# Altium PCB Smart Humidifier_LCEDA.PcbDoc (continued)
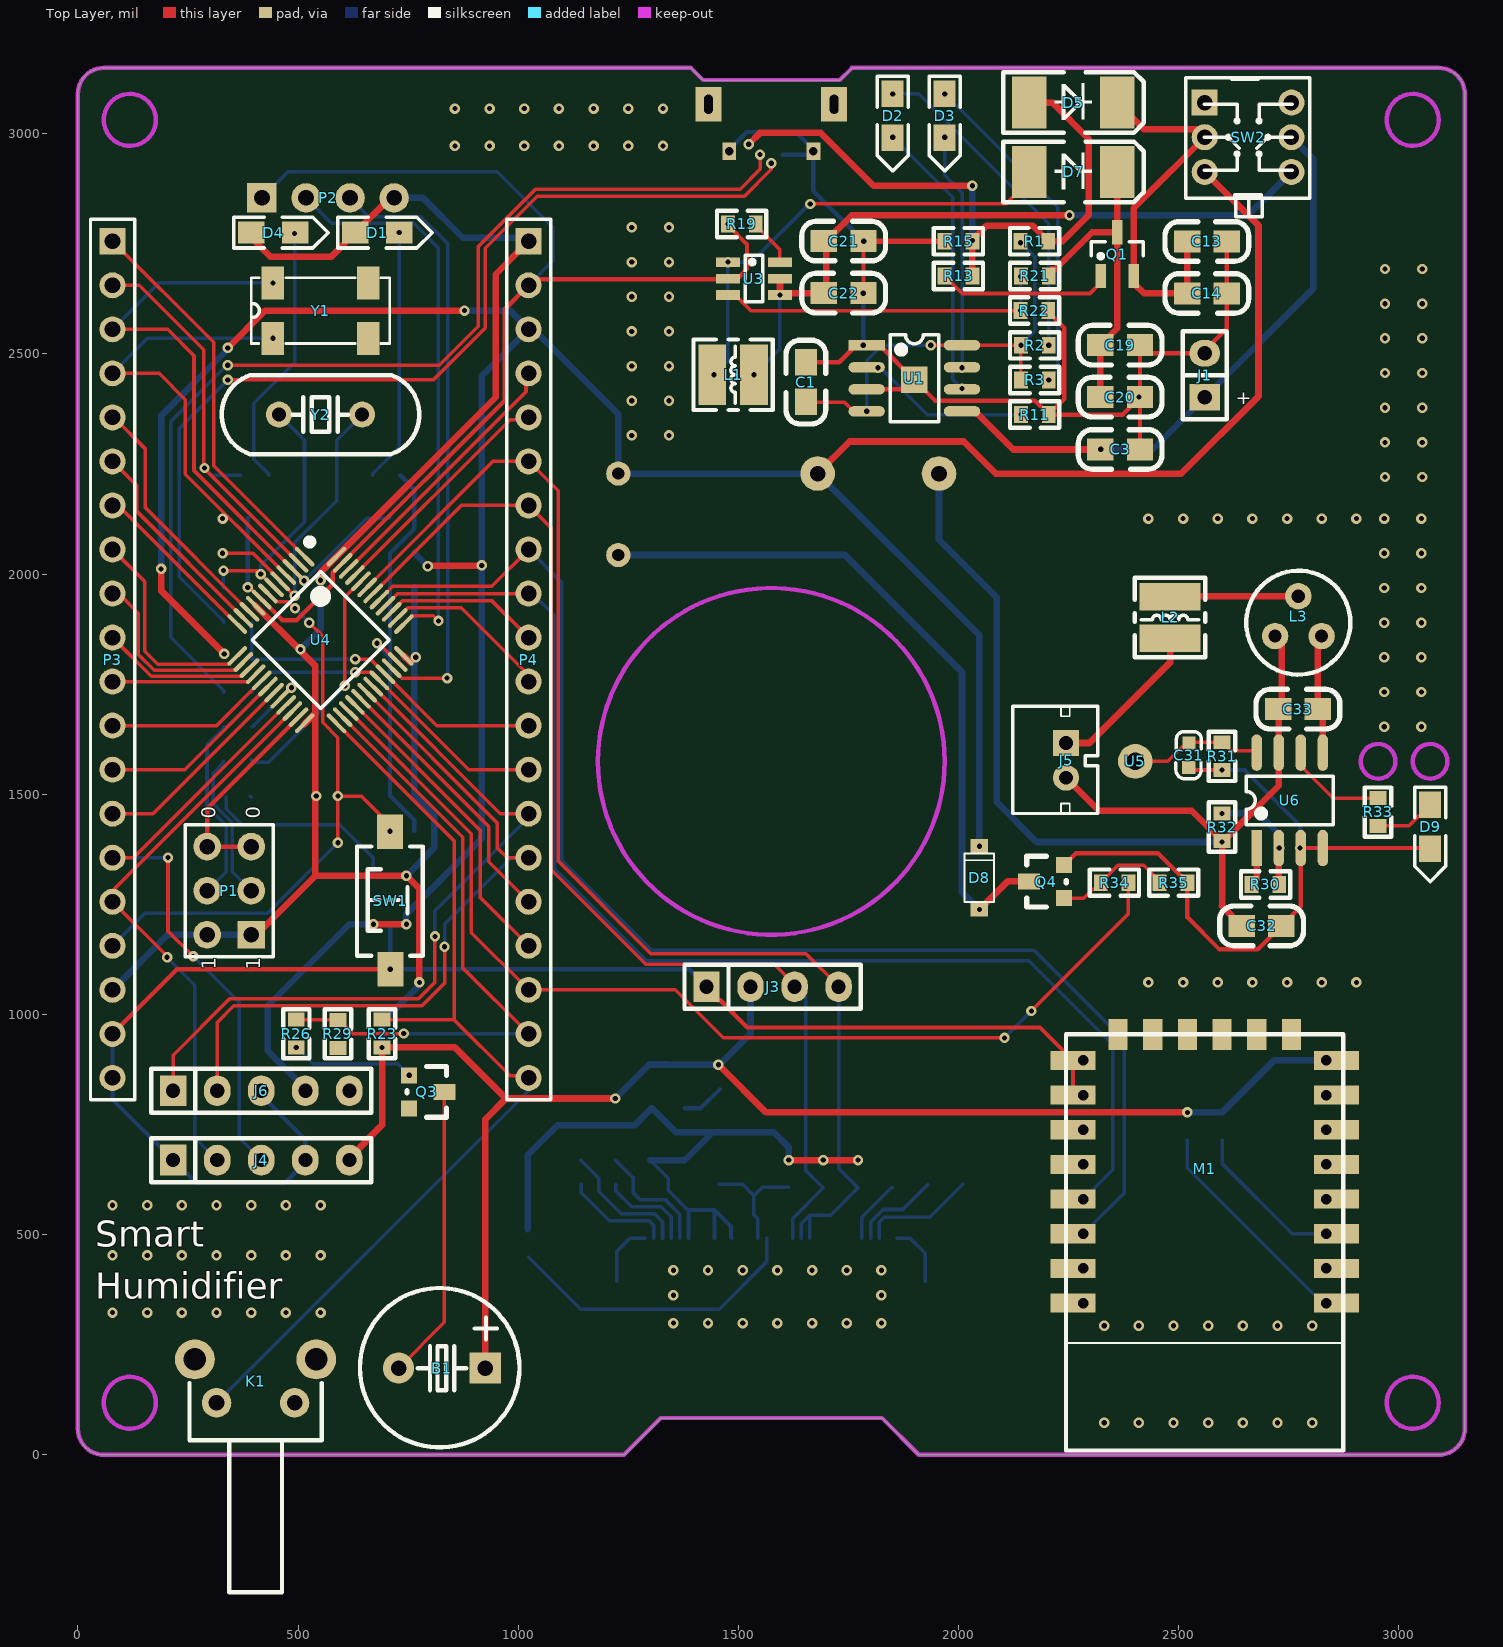
[diagram p0: Top Layer view]
## Footprints (in the part's own frame and the unit in brackets; to place one, negate y for a bottom-side part, rotate by r counter-clockwise, add the part's x,y. Pads: shape width x height; smd on the part's side, far side on the other; paste and mask are expansions set on the pad) (continued)
  silkscreen extent 1.35,-4.41 4.15,0.6
SOT23#1 [mm]
  rect 0.6x1.4 smd: D(0.95,2.514) G(0,0) S(1.9,0)
  silkscreen extent -0.55,1.02 2.45,1.97
SOT23#2 [mm]
  rect 0.6x1.4 smd: 1(0,0) 2(1.9,0) 3(0.95,2.514)
  silkscreen extent -0.55,1.02 2.45,1.97
SOT23-5L [mm] "3x1.6x1.1mm(长宽高)"
  rect 0.45x1 smd: 1(-0.95,-1.4) 2(0,-1.4) 3(0.95,-1.4) 4(0.95,1.4) 5(-0.95,1.4)
  silkscreen extent -1.6,-1.73 1.5,0.66
SOT23-6 [mm]
  rect 0.55x1.4 smd: 1(0,0) 2(0.95,0) 3(1.9,0) 4(1.9,3) 5(0.95,3) 6(0,3)
  silkscreen extent -0.38,0.99 2.29,2.01
SOT-23 [mil]
  rect 36x36 smd: B(-35,-35) E(40,-35)
  rect 36x50 smd: C(3,45)
  silkscreen extent -55,-40 60,50
SW_0603R [mm]
  rect 0.8x0.965 smd: 1(0,0) 2(1.6,0) 3(3.2,0)
  silkscreen extent -0.64,-0.76 3.81,0.76
"TQFP48 7x7_L" [mm] "48脚，体宽：7x7mm, 脚距：0.5mm"
  oval 0.25x1.5 smd: 1(-2.75,-4.046) 2(-2.25,-4.046) 3(-1.75,-4.046) 4(-1.25,-4.046) 5(-0.75,-4.046) 6(-0.25,-4.046) 7(0.25,-4.046) 8(0.75,-4.046) 9(1.25,-4.046) 10(1.75,-4.046) 11(2.25,-4.046) 12(2.75,-4.046) 25(2.75,4.046) 26(2.25,4.046) 27(1.75,4.046) 28(1.25,4.046) 29(0.75,4.046) 30(0.25,4.046) 31(-0.25,4.046) 32(-0.75,4.046) 33(-1.25,4.046) 34(-1.75,4.046) 35(-2.25,4.046) 36(-2.75,4.046)
  oval 1.5x0.25 smd: 13(4.046,-2.75) 14(4.046,-2.25) 15(4.046,-1.75) 16(4.046,-1.25) 17(4.046,-0.75) 18(4.046,-0.25) 19(4.046,0.25) 20(4.046,0.75) 21(4.046,1.25) 22(4.046,1.75) 23(4.046,2.25) 24(4.046,2.75) 37(-4.046,2.75) 38(-4.046,2.25) 39(-4.046,1.75) 40(-4.046,1.25) 41(-4.046,0.75) 42(-4.046,0.25) 43(-4.046,-0.25) 44(-4.046,-0.75) 45(-4.046,-1.25) 46(-4.046,-1.75) 47(-4.046,-2.25) 48(-4.046,-2.75)
  silkscreen extent -3.68,-4.57 2.79,2.79
"TSW SMD-3*6*2.5" [mm] "3*6*2.5mm"
  rect 2x1.5 smd: 1(-3.996,-0.02) 2(3.937,0)
  silkscreen extent -3.21,-1.9 3.09,1.9
USB-micro_B [mm]
  rect 1.5x2 hole 0.5 slot 1.1 at 90 deg: 0(-2.325,-2.9) 0(4.925,-2.9)
  rect 0.35x1.6 smd: 1(0,0) 2(0.65,0) 3(1.3,0) 4(1.95,0) 5(2.6,0)
  rect 0.8x1 hole 0.5: 5(-1.125,-0.19) 5(3.725,-0.19)
  silkscreen extent -2.89,-5.69 5.49,1.4
"XTAL-49S DIP" [mm]
  round 1.5 hole 0.8: 1(-2.4,0) 2(2.4,0)
  silkscreen extent -5.7,-2.28 5.7,2.28
通孔焊盘 [mm]
  round 2 hole 1: Hole(-16.7,0)

## Part data
B1: "蜂鸣器"
C1 C2 C3 C4 C5 C6 C7 C8 C9 C10 C11 C12 C13 C14 C15 C16 C17 C18 C19 C20 C21 C22 C23 C24 C25 C26 C27 C28 C29 C30 C31 C32 C33: library part CAP, "无极性电容"
D1 D2 D3 D4 D9: library part LED
D5 D7: library part "DIODE SCHOTTKY", "肖特基二极管"
D6 D8: library part DIODE, "普通二极管"
J1: library part "Female HDR1X2"
J2: "贴片"
J5: library part PH2.0-2P
JK1: "5V一组常开"
K1: library part KEY
L1 L2: library part INDUCTOR, "INDUCTOR"
L3: library part "INDUCTOR Tripod", "三脚工字形电感线圈直插式"
P1: "Header, 3-Pin, Dual row"
P2: library part "Header 4", "Header, 4-Pin"
P3 P4: "Header, 20-Pin"
Q1: library part P-MOS, "P沟道场效应管"
Q2: library part LDO_SOT23, "SOT23封装LDO"
Q3 Q4: library part NPN, "NPN三极管"
R1 R2 R3 R4 R5 R6 R7 R8 R9 R10 R11 R12 R13 R15 R16 R17 R18 R19 R20 R21 R22 R23 R24 R25 R26 R27 R28 R29 R30 R31 R32 R33 R34 R35: library part RES
R14: library part RES_SW
SW1: "SWITCH"
SW2: library part KFT_7X7-DIP, "Self-locking Switch"
U2: library part RT9193X_5P
U3: library part TC6291C, "DC-DC升压IC"
U5: library part 过孔焊盘
U6: library part XKT-201, "5V加湿器驱动芯片"
Y1 Y2: library part XTAL, "Crystal Oscillator"

## Free pads (board coordinates)
  rect 60x60 smd: 2(1899.61,2440.94)

## Via types
v1: diameter 23.62, hole 11.81, Top Layer to Bottom Layer, 219 vias

## Nets (pads, with @x,y where several pads share a name; then routed paths per layer and width w, separated by ;. In a path a pad name is that pad's centre, name@x,y a point inside that pad or via, vN(x,y) a via of type N, cw(c..) or ccw(c..) an arc to the next point about the centre after c; other vN are vias at no path point)
5V_OUT: C19.2 C20.2 D7.K Q1.D R21.2 | length 748
  Top Layer w15: R21.2 2204.72,2685.41 2211.47,2692.16 2219.72,2692.16 2303.7,2776.14 Q1.D ; C20.2 C19.2 2360.24,2558.34 Q1.D ; D7.K@2374.02,2899.72 D7.K 2360.24,2913.39 Q1.D
BOOT0: R8.1 U4.44 | length 539.8
  Top Layer w8: v1(606.3,1746.06) 606.3,1947.27 U4.44
  Bottom Layer w8: R8.1@393.7,1578.74 399.61,1572.83 433.07,1572.83 v1(606.3,1746.06)
BOOT1: R9.2 U4.20 | length 162.9
  Top Layer w8: U4.20 459.62,1716.88 v1(484.86,1742.12)
  Bottom Layer w8: R9.2 396.48,1653.54 484.86,1741.93 v1(484.86,1742.12)
GND: C1.1 C2.1 C3.2 C4.1 C6.1 C7.1 C9.1 C10.1 C11.2 C12.2 C13.2 C14.2 C15.2 C16.1 C17.2 C18.1 C19.1 C20.1 C21.1 C22.1 C23.2 C24.2 C25.1 C26.1 C27.1 C28.1 C29.2 C30.2 C31.2 C32.1 D9.K J1.2 J2.0 J2.1 J2.2 J2.6 J2.7 J2.8 J2.9 J2.10 J2.14 J2.15 J2.18 J2.19 J2.21 J2.23 J2.30 J3.1 J4.1 J4.4 J6.3 K1.3 M1.15 M1.16 P1.5 P1.6 P2.1 P3.19 P3.20 P4.2 pad.2 Q2.1 Q3.E Q4.E R7.2 R11.2 R14.3 R15.1 R19.1 R20.1 R22.1 R29.2 R31.1 R35.1 SW1.1 U1.1 U1.3 U2.2 U3.2 U4.8 U4.23 U4.35 U4.47 U6.3 U6.4 USB1.4 USB1.5 | length 12455.4
  Top Layer w8: v1(679.29,1842.99) 683.36,1842.99 725.96,1800.4 U4.35
  Top Layer w10: P3.19 225.36,1102.53 v1(709.45,1102.53) ; v1(385.71,1969.86) 389.96,1969.86 U4.8 464.15,1895.67 497.39,1895.67 578.74,1977.02 578.74,2003.23 U4.47 601.18,2026.38 969.29,2394.49 969.29,2601.57 P4.2 1037.01,2669.29 1496.06,2669.29 1519.68,2692.91 1519.68,2748.72 1476.38,2792.03 v1(1476.38,2795.28) R19.1@1479.33,2798.23 ; P1.5 P1.6 293.7,1467.64 U4.23 ; J3.1 1427.56,1057.99 1453.56,1031.99 1458.56,1031.99 1520.08,970.47 2185.04,970.47 2259.84,895.67 M1.16@2259.84,816.93 ; C1.1 1653.52,2481.39 1729.27,2481.39 1767.56,2519.68 v1(1783.46,2519.68) U1.1 1820.87,2519.68 pad.2 pad.2@1904.61,2435.94 ; C22.1 C21.1 ; U1.3 1791.71,2420.06 1884.47,2420.06 1900.35,2435.94 pad.2@1904.61,2435.94 ; R22.1 2203.73,2595.32 2203.59,2595.32 2240.16,2558.75 2240.16,2397.64 R11.2 ; Q4.E 2266.65,1366.14 2452.76,1366.14 2504.69,1314.21 2507.94,1314.21 2519.68,1302.46 R35.1 2519.68,1220.47 2592.41,1147.75 2679.55,1147.75 C32.1 2777.17,1245.36 U6.3 ; C19.1 C19.1@2411.99,2516.84 ; C3.2 2411.99,2283.06 C20.1 ; C31.2 2528.65,1555.12 v1(2598.43,1555.12) ; C13.2 C14.2 2608.98,2557.96 2559.06,2508.03 J1.2 2558.68,2501.95 2426.88,2501.95 C19.1@2411.99,2516.84 ; v1(2775.59,1377.95) U6.3 ; D9.K 3069.29,1377.95 U6.4 U6.3 ; pad.2@1904.61,2435.94 1946.48,2394.07 2172.85,2394.07 R11.2 ; R11.2 2372.97,2362.2 2409.49,2398.73 v1(2409.49,2401.98) C20.1 ; C20.1 C19.1@2411.99,2516.84
  Top Layer w11.81: C21.1 v1(1784.57,2755.91) R15.1
  Bottom Layer w8: C10.1 C10.1@393.7,1493.62 ; P2.1 477.17,2913.39 952.76,2913.39 1078.74,2787.4 1078.74,2711.02 P4.2 ; J2.0@1223.35,393.7 1223.35,461.54 1253.82,492.01 J2.30 ; J2.1 1859.29,492.13 1889.76,492.13 1924.13,457.76 J2.0@1924.13,393.7
  Bottom Layer w10: P3.19 P3.20 78.74,807.09 J4.1 216.54,664.29 241.54,639.29 246.54,639.29 267.72,618.11 470.35,618.11 516.54,664.29 J4.4 516.54,716.29 416.54,816.29 J6.3 ; v1(385.71,1969.86) 385.83,1969.98 C29.2 C24.2 ; v1(679.29,1842.99) 679.29,1840.96 C4.1 ; C26.1@708.17,1574.45 C26.1 ; U2.2 709.05,1204.33 709.05,1102.92 v1(709.45,1102.53) 1388.02,1102.53 J3.1 ; R7.2 763.87,2192.82 C23.2 763.87,2102.6 C9.1 C27.1 C6.1 C4.1 ; C2.1 763.81,1441.48 C28.1 C26.1 ; Q2.1 1414.83,787.4 C17.2 ; USB1.5@1479.33,2960.24 1479.33,2964.17 1519.09,3003.94 1630.51,3003.94 1670.28,2964.17 USB1.5@1670.28,2960.24 ; USB1.4 1625.98,2952.76 1662.8,2952.76 USB1.5@1670.28,2960.24 ; v1(1783.46,2519.68) v1(1783.46,2637.8) ; v1(1784.57,2755.91) 1670.28,2870.2 USB1.5@1670.28,2960.24 ; v1(2598.43,1555.12) 2649.61,1555.12 2775.59,1429.13 v1(2775.59,1377.95) ; C26.1 C25.1 C7.1 C4.1
  other v1: 2330.71,72.83 2409.45,72.83 2488.19,72.83 2566.93,72.83 2645.67,72.83 2724.41,72.83 2803.15,72.83 2330.71,293.31 2409.45,293.31 2488.19,293.31 2566.93,293.31 2645.67,293.31 2724.41,293.31 2803.15,293.31 1352.36,299.21 1431.1,299.21 1509.84,299.21 1588.58,299.21 1667.32,299.21 1746.06,299.21 1824.8,299.21 78.74,322.83 157.48,322.83 236.22,322.83 314.96,322.83 393.7,322.83 472.44,322.83 551.18,322.83 1352.36,362.2 1824.8,362.2 1352.36,419.29 1431.1,419.29 1509.84,419.29 1588.58,419.29 1667.32,419.29 1746.06,419.29 1824.8,419.29 78.74,452.76 157.48,452.76 236.22,452.76 314.96,452.76 393.7,452.76 472.44,452.76 551.18,452.76 78.74,566.93 157.48,566.93 236.22,566.93 314.96,566.93 393.7,566.93 472.44,566.93 551.18,566.93 2431.1,1072.83 2509.84,1072.83 2588.58,1072.83 2667.32,1072.83 2746.06,1072.83 2824.8,1072.83 2903.54,1072.83 2966.54,1653.54 3051.18,1653.54 2966.54,1732.28 3051.18,1732.28 2966.54,1811.02 3051.18,1811.02 2966.54,1889.76 3051.18,1889.76 2966.54,1968.5 3051.18,1968.5 2966.54,2047.24 3051.18,2047.24 2431.1,2125.98 2509.84,2125.98 2588.58,2125.98 2667.32,2125.98 2746.06,2125.98 2824.8,2125.98 2903.54,2125.98 2966.54,2125.98 3051.18,2125.98 2968.5,2220.47 3053.15,2220.47 2968.5,2299.21 3053.15,2299.21 1257.87,2314.96 1342.52,2314.96 2968.5,2377.95 3053.15,2377.95 1257.87,2393.7 1342.52,2393.7 2968.5,2456.69 3053.15,2456.69 1257.87,2472.44 1342.52,2472.44 2968.5,2535.43 3053.15,2535.43 1257.87,2551.18 1342.52,2551.18 2968.5,2614.17 3053.15,2614.17 1257.87,2629.92 1342.52,2629.92 2968.5,2692.91 3053.15,2692.91 1257.87,2708.66 1342.52,2708.66 1257.87,2787.4 1342.52,2787.4 856.3,2972.44 935.04,2972.44 1013.78,2972.44 1092.52,2972.44 1171.26,2972.44 1250,2972.44 1328.74,2972.44 856.3,3057.09 935.04,3057.09 1013.78,3057.09 1092.52,3057.09 1171.26,3057.09 1250,3057.09 1328.74,3057.09
NetB1_2: B1.2 Q3.C | length 670
  Top Layer w8: B1.2 832.4,300.91 Q3.C
NetC1_2: C1.2 R1.2 R2.1 R3.1 U1.4 U1.8 | length 971.4
  Top Layer w8: C1.2 1654.4,2389.76 1741.73,2389.76 1761.81,2369.68 v1(1791.34,2369.68) ; v1(1937.01,2519.68) U1.8 v1(2141.73,2519.68) ; v1(2140.74,2752.66) R1.2 ; R3.1 v1(2141.73,2519.68) ; R2.1@2141.73,2522.93 v1(2141.73,2519.68)
  Bottom Layer w8: v1(1791.34,2369.68) 1791.34,2484.25 1826.77,2519.68 v1(1937.01,2519.68) ; v1(2140.74,2752.66) 2173.23,2720.17 2173.23,2551.18 v1(2141.73,2519.68)
NetC5_1: C5.1 J2.28 | length 298.1
  Bottom Layer w8: C5.1 1183.07,628.09 1183.07,598.43 1234.25,547.24 1309.59,547.24 1327.68,529.16 J2.28
NetC5_2: C5.2 J2.29 | length 243.4
  Bottom Layer w8: C5.2 1143.09,595.1 1206.69,531.5 1297.24,531.5 1307.99,520.75 J2.29
NetC8_1: C8.1 J2.26 | length 271.1
  Bottom Layer w8: C8.1 1261.81,628.09 1261.81,594.49 1277.56,578.74 1334.65,578.74 1367.05,546.34 J2.26
NetC8_2: C8.2 J2.27 | length 213.3
  Bottom Layer w8: C8.2 1221.83,599.04 1257.87,562.99 1324.8,562.99 1347.36,540.43 J2.27
NetC10_2: C10.2 U2.4 | length 448.3
  Bottom Layer w8: C10.2 336.61,1467.2 372.72,1431.1 594.49,1431.1 671.26,1354.33 U2.4
NetC13_1: C13.1 C14.1 D5.K Q1.S SW2.2 | length 905.8
  Top Layer w15: D5.K 2420.83,3010.39 2568.31,3010.39 2572.81,3005.88 2397.64,2830.71 Q1.S 2397.64,2661.42 2421.66,2637.39 C14.1 C13.1
NetC15_1: C15.1 D6.A J2.17 R12.1 | length 276.3
  Bottom Layer w8: C15.1 1509.84,614.14 D6.A ; J2.17 1544.21,535.89 1535.43,544.67 D6.A ; R12.1 1553.96,607.08 D6.A
NetC16_2: C16.2 J2.4 | length 202.3
  Bottom Layer w8: J2.4 1800.12,528.46 1828.74,557.09 1873.5,557.09 C16.2
NetC18_2: C18.2 J2.3 | length 261.3
  Bottom Layer w8: J2.3 1819.8,528.46 1830.71,539.37 1934.52,539.37 C18.2
NetC21_2: C21.2 C22.2 L1.1 SW2.4 U3.4 U3.5 | length 1586.4
  Top Layer w15: U3.5 v1(1594.49,2633.86) 1598.83,2638.2 C22.2 1699.17,2643.2 1699.17,2756.31 1757.82,2814.96 v1(2251.97,2814.96)
  Bottom Layer w8: v1(1535.43,2452.76) 1594.49,2511.81 v1(1594.49,2633.86)
  Bottom Layer w15: v1(2251.97,2814.96) 2657.48,2814.96 SW2.4
NetC31_1: C31.1 R31.2 U5.Hole U6.8 | length 310.4
  Top Layer w8: U5.Hole 2475.37,1574.8 2519.68,1619.11 2519.68,1621.61 2523.62,1621.61 2527.13,1618.11 R31.2 2617.39,1599.15 2677.17,1599.15 U6.8
NetC32_2: C32.2 C33.2 J5.2 JK1.4 L3.3 R32.2 U6.7 | length 2511.1
  Top Layer w15: J5.2 2319.11,1462.6 2529.53,1462.6 R32.2 ; C32.2 2598.11,1246.06 2598.43,1246.06 v1(2598.43,1391.73) ; L3.3 2734.25,1843.82 2734.25,1701.9 C33.2 2727.17,1691.81 U6.7 2727.17,1519.19 2601.67,1393.7 R32.2 ; v1(2598.43,1391.73) 2600.39,1391.73 R32.2 ; v1(2598.43,1391.73) R32.2
  Bottom Layer w15: JK1.4 1955.63,2077.83 2086.61,1946.85 2086.61,1482.28 2177.17,1391.73 v1(2598.43,1391.73)
NetC33_1: C33.1 L3.2 U6.5 | length 273.2
  Top Layer w15: L3.2 2815.67,1850.43 C33.1 2827.17,1681.81 U6.5
NetD1_K: D1.K R7.1 | length 576.3
  Bottom Layer w8: R7.1 669.29,2227.66 729.92,2288.29 v1(729.92,2775.59)
NetD2_A: D2.A R2.2 | length 752.2
  Bottom Layer w8: v1(1850.39,3090.55) 1909.45,3090.55 2204.72,2795.28 v1(2204.72,2519.68)
NetD2_K: D2.K U1.6 | length 636.1
  Bottom Layer w8: v1(1850.39,2992.13) 1987.06,2855.46 1987.06,2442.07 v1(2007.87,2421.26)
NetD3_A: D3.A R3.2 | length 764.7
  Bottom Layer w8: v1(1968.5,3090.55) 2225.54,2833.52 2225.54,2461.76 v1(2204.72,2440.94)
NetD3_K: D3.K U1.7 | length 539.9
  Bottom Layer w8: v1(1968.5,2992.13) 1968.5,2905.51 2007.87,2866.14 v1(2007.87,2468.5)
NetD4_K: D4.K R10.1 | length 601.4
  Bottom Layer w8: R10.1 433.07,2227.66 399.61,2261.12 399.61,2387.8 492.13,2480.32 v1(492.13,2773.62)
NetD7_A: D7.A L1.2 U3.1 | length 1049.3
  Top Layer w8: v1(1663.39,2840.55) 2107.2,2840.55 2160.35,2893.7 D7.A
  Bottom Layer w8: v1(1444.88,2452.76) 1476.38,2484.25 v1(1476.38,2708.66) 1529.53,2708.66 1661.42,2840.55 v1(1663.39,2840.55)
NetD8_A: D8.A JK1.1 Q4.C | length 1585.4
  Top Layer w15: v1(2047.24,1238.19) 2111.3,1302.21 Q4.C
  Bottom Layer w15: JK1.1 1742.13,2043.31 2007.87,1777.56 2007.87,1277.56 v1(2047.24,1238.19)
NetD9_A: D9.A R33.1 | length 138
  Top Layer w8: R33.1 3022.87,1428.38 D9.A
NetJ2_15: J2.16 R14.2 | length 687.7
  Bottom Layer w8: R14.2 1141.73,330.71 1456.69,330.71 1563.9,437.91 J2.16
NetJ2_26: J2.5 R20.2 | length 145
  Bottom Layer w8: J2.5 1780.43,539.38 1847.15,606.09 R20.2
NetJ5_1: J5.1 L2.1 | length 367.1
  Top Layer w15: J5.1 2297.46,1616.35 2480.32,1799.21 L2.1
NetL2_2: L2.2 L3.1 | length 291.7
  Top Layer w15: L2.2 2481.26,1949.76 L3.1
NetM1_1: M1.1 R4.2 | length 508.4
  Bottom Layer w8: R4.2 2519.68,651.58 2830.71,340.55 M1.1@2834.65,344.49
NetM1_3: M1.3 R6.2 | length 355.4
  Bottom Layer w8: R6.2 2598.43,661.42 2757.87,501.97 M1.3@2834.65,501.97
NetP1_3: P1.3 R8.2 | length 339.4
  Bottom Layer w8: R8.2 330.71,1571.56 307.09,1547.93 307.09,1478.35 350.39,1435.04 350.39,1324.41 P1.3
NetP1_4: P1.4 R9.1 | length 424.1
  Bottom Layer w8: P1.4 336.61,1324.02 336.61,1429.13 293.31,1472.44 293.31,1611.9 331.7,1650.3 R9.1
NetQ1_G: Q1.G R13.1 | length 398.5
  Top Layer w8: R13.1 1968.5,2673.92 1980.25,2662.17 1983.5,2662.17 2008.42,2637.25 2298.67,2637.25 2322.83,2661.42 Q1.G
NetQ3_B: Q3.B R26.1 | length 282.6
  Bottom Layer w8: v1(496.06,925.2) 533.46,887.8 726.38,887.8 v1(752.4,861.77)
NetQ4_B: Q4.B R34.1 R35.2 | length 276
  Top Layer w8: Q4.B 2284.59,1264.21 2304.59,1284.22 2311.09,1284.22 2322.83,1295.96 R34.1 ; R34.1@2318.46,1303.58 R34.1 ; R35.2 2456.69,1302.46 2420.57,1338.58 2362.2,1338.58 2337.83,1314.21 2334.58,1314.21 2322.83,1302.46 R34.1
NetR11_1: R11.1 U1.2 | length 368.8
  Bottom Layer w8: v1(1816.93,2468.5) 1822.83,2468.5 1929.13,2362.2 v1(2141.73,2362.2)
NetR19_2: R19.2 U3.6 | length 109.4
  Top Layer w8: R19.2 1539.37,2792.03 1594.49,2736.91 U3.6
NetR21_1: R21.1 R22.2 U3.3 | length 758.2
  Top Layer w8: U3.3 1493.11,2633.86 1528.54,2598.43 v1(2140.74,2598.43) ; v1(2140.74,2676.17) R21.1
  Bottom Layer w8: v1(2140.74,2598.43) v1(2140.74,2676.17)
NetR24_1: R24.1 USB1.2 | length 2379.2
  Top Layer w8: v1(340.55,2474.41) 820.87,2474.41 909.45,2562.99 909.45,2744.09 1039.37,2874.02 1503.94,2874.02 1549.21,2919.29 v1(1549.21,2952.76)
  Bottom Layer w8: R24.1 331.69,1735.53 210.63,1856.59 210.63,2346.46 v1@339.57,2475.39
NetR25_1: R25.1 USB1.3 | length 2191.1
  Top Layer w8: v1(340.55,2440.95) 807.09,2440.95 925.2,2559.06 925.2,2740.16 1043.31,2858.27 1513.78,2858.27 1574.8,2919.29 v1(1574.8,2933.07)
  Bottom Layer w8: R25.1 331.69,1893.01 230.32,1994.39 230.32,2330.71 v1(340.55,2440.95)
NetR30_1: R30.1 R32.1 U6.2 | length 293.2
  Top Layer w15: R30.1@2727.17,1295.28 U6.2 U6.2@2727.17,1407.48
  Bottom Layer w15: v1(2598.43,1456.69) 2681.1,1456.69 2728.35,1409.45 v1(2728.35,1377.95)
NetR30_2: R30.2 U6.1 | length 87.6
  Top Layer w15: R30.2 2677.1,1307.02 2677.1,1377.89 U6.1
NetR33_2: R33.2 U6.6 | length 235.6
  Top Layer w8: U6.6 2777.17,1564.96 2850.76,1491.37 R33.2
OSCIN: C29.1 R28.2 U4.5 Y2.2 | length 679.1
  Top Layer w8: v1(328.74,2047.24) 397.68,2047.24 459.42,1985.5 U4.5 492.13,1951.21 v1(492.13,1951)
  Bottom Layer w8: v1(492.13,1951) 492.13,2070.87 587.68,2166.42 587.68,2304.22 Y2.2
OSCOUT: C30.1 R28.1 U4.6 Y2.1 | length 596.8
  Top Layer w8: v1(330.71,2007.87) 407.62,2007.87 v1(415.49,2000) U4.6
  Bottom Layer w8: C30.1 v1(330.71,2007.87) ; v1(415.49,2000) 415.49,2019.82 514.68,2119.01 514.68,2304.22 Y2.1
PA0: P3.5 U4.10 | length 572.3
  Top Layer w8: P3.5 81.6,2355.91 153.54,2283.96 153.54,2150.33 389.57,1914.31 U4.10
PA1: P3.6 U4.11 | length 478.6
  Top Layer w8: P3.6 134.21,2200.43 134.21,2142.09 U4.11
PA2: P3.7 U4.12 | length 394.9
  Top Layer w8: P3.7 92.06,2155.91 361.49,1886.47 U4.12
PA3: P3.8 U4.13 | length 491.8
  Top Layer w8: P3.8 151.57,1983.07 151.57,1824.8 181.1,1795.28 342.95,1795.28 U4.13
PA4: P3.9 U4.14 | length 432.1
  Top Layer w8: P3.9 92.56,1955.91 137.17,1911.29 137.17,1817.55 173.23,1781.5 357.01,1781.5 U4.14
PA5: P3.10 U4.15 | length 355
  Top Layer w8: P3.10 166.49,1768.16 371.51,1768.16 U4.15
PA6: P3.11 U4.16 | length 332.5
  Top Layer w8: P3.11 79.49,1755.16 386.35,1755.16 U4.16
PA7: P3.12 U4.17 | length 381.5
  Top Layer w8: P3.12 314.93,1655.91 U4.17
PA8: P4.16 U4.29 | length 618.7
  Top Layer w8: U4.29 933.07,1426.75 933.07,1346.46 P4.16
PA9(USART1_TX): J6.2 P4.15 U4.30 | length 1650.9
  Top Layer w8: J6.2 316.54,981.89 354.33,1019.69 781.5,1019.69 832.68,1070.87 v1(832.68,1153.54) ; U4.30 952.76,1434.9 952.76,1377.95 974.8,1355.91 P4.15
  Bottom Layer w8: v1(832.68,1153.54) 832.68,1204.72 983.86,1355.91 P4.15
PA10(USART1_RX): J6.1 P4.14 U4.31 | length 1687.3
  Top Layer w8: J6.1 216.54,907.48 344.49,1035.43 773.62,1035.43 811.02,1072.83 v1(811.02,1177.17) ; U4.31 959.59,1455.91 P4.14
  Bottom Layer w8: v1(811.02,1177.17) 811.02,1235.63 1023.62,1448.23 P4.14
PA11: P4.13 R24.2 U4.32 | length 741.4
  Top Layer w8: v1(629.92,1777.56) 665.77,1777.56 U4.32 887.43,1555.91 P4.13
  Bottom Layer w8: R24.2 394.68,1735.53 436.71,1777.56 v1(629.92,1777.56)
PA12: P4.12 R25.2 R27.2 U4.33 | length 770.2
  Top Layer w8: v1@631.89,1807.08 664.09,1807.08 U4.33 815.27,1655.91 P4.12
  Bottom Layer w8: R27.2 394.68,1807.08 v1(629.92,1807.08) ; R27.2@394.68,1813.06 R25.2
PA15: P4.11 U4.38 | length 384.4
  Top Layer w8: U4.38 739.45,1913.39 749.29,1923.23 870.78,1923.23 1023.62,1770.39 P4.11
PB0: P3.13 U4.18 | length 431.1
  Top Layer w8: P3.13 242.77,1555.91 U4.18
PB1: P3.14 U4.19 | length 480.6
  Top Layer w8: P3.14 170.61,1455.91 U4.19
PB3: P4.10 U4.39 | length 382.5
  Top Layer w8: U4.39@731.29,1933.07 U4.39 712.54,1914.81 736.7,1938.98 940.55,1938.98 P4.10
PB4: M1.19 P4.9 U4.40 | length 2802.6
  Top Layer w8: U4.40 715.27,1944.88 726.29,1955.91 P4.9
  Bottom Layer w8: P4.9 1032.28,1955.91 1082.68,1905.51 1082.68,1330.71 1291.34,1122.05 2159.45,1122.05 2350.39,931.1 2350.39,647.64 M1.19@2283.46,580.71
PB5: M1.20 P4.8 U4.41 | length 3047
  Top Layer w8: U4.41 707.11,1964.57 714.99,1972.44 940.16,1972.44 P4.8
  Bottom Layer w8: P4.8 1098.43,1981.1 1098.43,1350.39 1303.15,1145.67 2171.26,1145.67 2375.98,940.94 2375.98,594.49 M1.20@2283.46,501.97
PB6(I2C1_SCL): J2.13 J3.3 P4.7 R18.2 U4.42 | length 2576.8
  Top Layer w8: U4.42 870.61,2155.91 P4.7 1074.8,2104.72 1074.8,1328.74 1289.37,1114.17 1581.38,1114.17 1627.56,1067.99 J3.3
  Bottom Layer w8: J2.13 1622.95,536.13 R18.2 1653.54,645.46 1653.54,1037.01 J3.3
PB7(I2C1_SDA): J2.11 J2.12 J3.4 P4.6 R17.2 U4.43 | length 2898.8
  Top Layer w8: U4.43 942.77,2255.91 P4.6 1090.55,2188.98 1090.55,1348.43 1301.18,1137.8 1653.54,1137.8 1727.56,1063.78 J3.4
  Bottom Layer w8: J2.12 1642.64,524.53 1662.32,544.21 ; J2.11 1662.32,544.21 ; J3.4 1727.56,650.18 R17.2 1709.78,544.21 1662.32,544.21
PB8: P4.5 U4.45 | length 542.9
  Top Layer w8: U4.45 982.09,2350.9 1018.62,2350.9 P4.5
PB9: P4.4 U4.46 | length 613.4
  Top Layer w8: U4.46 1017.73,2414.38 1017.73,2450.01 P4.4
PB10(I2C2_SCL): J4.3 P3.15 U4.21 | length 1439.4
  Top Layer w8: P3.15 126.29,1355.91 U4.21 ; v1(204.72,1356.3) 204.72,1188.98 v1(261.81,1131.89)
  Bottom Layer w8: P3.15 78.94,1356.1 204.13,1356.1 204.33,1355.91 v1(204.72,1356.3) ; v1(261.81,1131.89) 366.14,1027.56 366.14,719.68 J4.3
PB11(I2C2_SDA): J4.2 P3.16 U4.22 | length 1287.5
  Top Layer w8: v1(202.76,1129.92) 202.76,1131.89 P3.16 78.74,1280.54 U4.22@487.24,1689.04
  Bottom Layer w8: v1(202.76,1129.92) 202.76,1128.94 265.75,1065.95 265.75,720.08 J4.2
PB12: K1.1 P4.20 R23.2 U4.25 | length 2202.4
  Top Layer w8: U4.25 854.33,1394.13 854.33,988.19 ; R23.2 854.33,988.19 ; P4.20 1019.1,860.43 982.09,860.43 854.33,988.19
  Bottom Layer w8: K1.1 1023.62,826.77 P4.20
PB13: P4.19 R26.2 R29.1 U4.26 | length 1435.1
  Top Layer w8: R26.2 592.81,988.19 624.3,956.69 v1(740.16,956.69) ; U4.26 874.02,1402.28 874.02,1105.51 P4.19
  Bottom Layer w8: v1(740.16,956.69) 740.55,956.3 1023.23,956.3 P4.19
PB14: P4.18 R34.2 U4.27 | length 2397.2
  Top Layer w8: U4.27 893.7,1410.44 893.7,1185.83 P4.18 1356.92,1055.91 1465.97,946.85 v1(2104.33,946.85) ; v1(2165.35,1007.87) 2385.83,1228.35 R34.2
  Bottom Layer w8: v1(2104.33,946.85) v1(2165.35,1007.87)
PB15: P4.17 U4.28 | length 710.5
  Top Layer w8: U4.28 913.39,1418.59 913.39,1266.14 P4.17
PC13: P3.2 R10.2 U4.2 | length 931.2
  Top Layer w8: P3.2 139.37,2655.91 285.97,2509.31 285.97,2240.88 U4.2 U4.2@502.28,2025.67
  Bottom Layer w8: v1(287.54,2240.9) 304.03,2224.41 R10.2
PC14: C23.1 P3.3 U4.3 Y1.4 | length 1486.5
  Top Layer w8: P3.3 203.94,2555.91 263.78,2496.06 263.78,2235.23 U4.3 487.26,2011.25 v1(513.78,1984.73)
  Bottom Layer w8: P3.3 184.25,2661.42 v1(442.91,2661.42) ; v1(513.78,1984.73) 656,2126.95 C23.1@708.78,2126.95
PC15: C24.1 P3.4 U4.4 Y1.1 | length 1093.1
  Top Layer w8: P3.4 184.56,2455.91 244.16,2396.31 244.16,2383.21 244.09,2383.15 244.09,2227.08 U4.4 U4.4@472.79,1998.38 ; v1(328.74,2125.98) v1@336.96,2134.21
  Bottom Layer w8: P3.4 158.27,2535.43 v1(442.91,2535.43)
RESET: C2.2 P3.17 R5.2 SW1.2 U4.7 | length 1409
  Top Layer w8: U4.7 450.65,1937.01 476.68,1937.01 491.45,1922.24 v1(493.11,1922.24) ; v1(525.59,1889.76) 555.94,1859.41 555.94,1663.39 590.55,1628.77 v1(590.55,1496.06) 643.7,1496.06 688.98,1450.79 SW1.2@688.98,1414.84 ; v1(590.55,1389.76) 590.55,1492.13 v1@592.52,1494.09
  Bottom Layer w8: P3.17 153.15,1230.32 431.1,1230.32 v1(590.55,1389.76) ; v1(493.11,1922.24) v1(525.59,1889.76)
  other v1: 708.81,1415.97
SWDCLK: P2.2 U4.37 | length 1285.8
  Top Layer w8: U4.37 759.41,1905.51 807.09,1905.51 v1(818.9,1893.7)
  Bottom Layer w8: P2.2 576.04,2796.4 762.65,2796.4 818.9,2740.16 v1(818.9,1893.7)
SWDIO: P2.3 U4.34 | length 1387.4
  Top Layer w8: U4.34 735.23,1763.78 v1(838.58,1763.78)
  Bottom Layer w8: P2.3 660.57,2811.87 778.69,2811.87 839.71,2750.84 839.71,1764.91 v1(838.58,1763.78)
VBAT: P3.1 U4.1 | length 897.1
  Top Layer w8: P3.1 308.35,2526.29 308.35,2246.34 U4.1
VBAT3.7: C3.1 J1.1 SW2.5 U1.5 | length 1353.1
  Top Layer w15: U1.5 2037.4,2369.68 2124.02,2283.06 C3.1 C3.1@2327.13,2283.06
  Bottom Layer w15: v1(2322.83,2283.46) 2440.94,2283.46 J1.1 2805.12,2647.64 2805.12,2942.91 SW2.5
VBUS: D5.A R1.1 R13.2 R15.2 USB1.1 | length 1433.6
  Top Layer w15: v1(1523.62,2976.38) 1549.21,3001.97 1687.01,3001.97 1807.09,2881.89 v1(2031.5,2881.89) ; R13.2 R15.2 v1(2031.5,2757.53) 2031.5,2759.15 2063.68,2791.34 2168.3,2791.34 R1.1 2236.22,2755.91 2263.78,2783.46 2295.28,2814.96 2295.28,2988.88 2213.29,3070.87 D5.A
  Bottom Layer w15: v1(2031.5,2757.53) v1(2031.5,2881.89)
VCC3V3: B1.1 C4.2 C6.2 C7.2 C17.1 C25.2 C26.2 C27.2 C28.2 D1.A D4.A J3.2 J4.5 M1.8 P1.1 P1.2 P2.4 P3.18 P4.1 Q2.3 R4.1 R5.1 R6.1 R16.2 R23.1 U2.5 U4.9 U4.24 U4.36 U4.48 | length 8005
  Top Layer w15: D4.A@385.57,2773.09 438.19,2720.47 574.8,2720.47 D1.A 708.66,2854.33 P2.4 ; P1.1 405.58,1181.1 539.44,1314.96 ; U4.9 503.36,1828.62 503.66,1828.91 v1(505.56,1828.91) 505.56,1825.38 539.44,1791.5 539.44,1314.96 ; U4.24@514.35,1659.45 U4.24@536,1681.1 ; v1(551.18,1986.22) 551.18,2003.94 948.82,2401.57 948.82,2681.1 P4.1 ; J4.5 616.54,674.29 690.94,748.7 v1(690.94,925.2) 856.3,925.2 972.44,809.06 ; U4.36 754.66,1800.03 755.87,1800.03 766.86,1811.02 v1(767.5,1811.02) ; v1(775.59,1072.83) 775.59,1285.43 v1(746.06,1314.96) 539.44,1314.96 ; B1.1 925.2,761.81 972.44,809.06 ; v1(1220.47,809.06) 972.44,809.06 ; v1(1454.72,885.83) 1562.99,777.56 v1(2519.69,777.56) ; J3.2 J3.2@1528.06,1062.99
  Bottom Layer w15: P3.18 203.94,1181.1 P1.2 P1.1 ; v1(505.56,1828.91) 551.18,1874.54 v1(551.18,1986.22) ; v1(690.94,925.2) 690.94,981.69 775.59,1066.34 v1(775.59,1072.83) ; P2.4 783.46,2854.33 874.02,2763.78 1015.75,2763.78 P4.1 ; v1(746.06,1314.96) 809.06,1377.95 809.06,1452.24 C28.2 C26.2 C25.2 C7.2 C4.2 ; C4.2@763.57,1812.68 C4.2 ; C27.2 C6.2 763.87,1814.65 v1(767.5,1811.02) 767.5,1808.75 C4.2 ; v1(1220.47,809.06) 1297.79,886.37 Q2.3 1341.31,885.61 C17.1 1527.56,956.13 J3.2 ; v1(2519.69,777.56) R6.1 2716.54,895.67 M1.8@2834.65,895.67
  other v1: 541.34,1496.06
VCC5V: C9.2 D8.K J6.4 JK1.2 JK1.3 P4.3 R27.1 SW2.3 U2.1 U2.3 | length 7369.8
  Top Layer w15: v1(188.98,2011.81) 188.98,1962.59 v1(332.68,1818.89) ; v1(340.55,2513.78) 425.24,2598.43 v1(877.95,2598.43) ; v1(671.26,1204.72) v1(746.06,1204.73) ; v1(794.76,2017.72) 795.74,2018.7 916.34,2018.7 v1(917.32,2019.68) ; JK1.3 1752.87,2301.18 2011.81,2301.18 2084.65,2228.35 2505.91,2228.35 2681.1,2403.54 2681.1,2791.34 SW2.3
  Bottom Layer w15: v1(188.98,2011.81) 188.98,2359.18 340.55,2510.76 v1(340.55,2513.78) ; J6.4 516.54,831.77 431.1,917.2 431.1,1019.69 616.14,1204.72 v1(671.26,1204.72) ; v1(746.06,1204.73) 746.06,1228.35 917.32,1399.61 v1(917.32,2019.68) 917.32,2449.61 P4.3 ; C9.2 v1(794.76,2017.72) ; v1(877.95,2598.43) 981.1,2598.43 P4.3 ; v1(2047.24,1382.16) 2047.24,1861.14 JK1.3 JK1.2 1227.28,2363.27 1034.65,2555.91 P4.3
VCC_OLED: C11.1 C12.1 D6.K J2.20 J2.22 J2.25 Q2.2 R12.2 R14.1 R16.1 R17.1 R18.1 | length 1616.1
  Top Layer w15: v1(1614.17,669.29) v1(1692.91,669.29) v1(1771.65,669.29)
  Bottom Layer w8: C12.1 1340.55,628.09 1340.55,600.39 1385.03,555.92 ; J2.25 1386.73,554.21 1385.03,555.92 ; J2.22 1445.79,555.92 ; J2.20 1483.25,493.91 1483.25,518.45 1445.79,555.92 ; 1385.03,555.92 1445.79,555.92
  Bottom Layer w15: R14.1@1021.65,511.81 1021.65,681.1 1088.58,748.03 R16.1 1263.78,748.03 Q2.2 1358,732.55 1441.78,732.55 ; C12.1 C11.1 1441.78,732.55 ; v1(1614.17,669.29) 1614.17,698.82 1580.44,732.55 D6.K 1441.78,732.55
pads on no net: J2.24 J6.5 K1.0 M1.2 M1.4 M1.5 M1.6 M1.7 M1.9 M1.10 M1.11 M1.12 M1.13 M1.14 M1.17 M1.18 M1.21 M1.22 SW2.1 SW2.6 USB1.0 Y1.2 Y1.3

## Polygon pours and split planes (outlines as drawn)
GND on Top Layer "Top Layer-No Net" (solid, pour order 78): 59.06,0 cw(c59.06,59.06) 0,59.06 0,3090.55 cw(c59.06,3090.55) 59.06,3149.61 1392.22,3149.61 1419.78,3122.05 1730.32,3122.05 1757.87,3149.61 3090.55,3149.61 cw(c3090.55,3090.55) 3149.61,3090.55 3149.61,59.06 cw(c3090.55,59.06) 3090.55,0 1909.45,0 1825.93,83.52 1323.67,83.52 1240.16,0
GND on Bottom Layer "Top Layer-No Net1" (solid, pour order 79): 59.06,0 cw(c59.06,59.06) 0,59.06 0,3090.55 cw(c59.06,3090.55) 59.06,3149.61 1392.22,3149.61 1419.78,3122.05 1730.32,3122.05 1757.87,3149.61 3090.55,3149.61 cw(c3090.55,3090.55) 3149.61,3090.55 3149.61,59.06 cw(c3090.55,59.06) 3090.55,0 1909.45,0 1825.93,83.52 1323.67,83.52 1240.16,0

## Keep-outs
Keep-Out Layer:
  circle w10: c3070.87,1574.8 r39.37
  circle w10: c2952.76,1574.8 r39.37
  circle w10: c3031.5,118.11 r59.06
  circle w10: c118.11,118.11 r59.06
  circle w10: c3031.5,3031.5 r59.06
  circle w10: c118.11,3031.5 r59.06
  circle w10: c1574.8,1574.8 r393.7
  lines w10: 0,59.06 ccw(c59.06,59.06) 59.06,0 1240.16,0 1323.67,83.52 1825.93,83.52 1909.45,0 3090.55,0 ccw(c3090.55,59.06) 3149.61,59.06 3149.61,3090.55 ccw(c3090.55,3090.55) 3090.55,3149.61 1757.87,3149.61 1730.32,3122.05 1419.78,3122.05 1392.22,3149.61 59.06,3149.61 ccw(c59.06,3090.55) 0,3090.55 0,59.06

## Silkscreen, mask and mechanical layers (free items; w line width, h text height)
Top Overlay:
  text "+" at 2629.92,2385.83 h31.5
  text "Smart" at 39.37,472.44 h60
  text "Humidifier" at 39.37,354.33 h60
Bottom Overlay:
  text "GND" at 452.76,2755.91 h31.5
  text "GND" at 2224.41,879.92 h31.5
  text "VCC3V3" at 3068.9,879.92 h31.5
  text "IO15" at 2224.41,801.18 h31.5
  text "IO13" at 2992.13,801.18 h31.5
  text "IO2" at 2224.41,722.44 h31.5
  text "IO12" at 2992.13,722.44 h31.5
  text "0x7A" at 1039.37,671.26 h31.5 r90
  text "IO0" at 2224.41,643.7 h31.5
  text "IO14" at 2992.13,643.7 h31.5
  text "IO4" at 2224.41,564.96 h31.5
  text "IO16" at 2992.13,564.96 h31.5
  text "IO5" at 2224.41,486.22 h31.5
  text "EN" at 2939.65,486.22 h31.5
  text "RXD" at 2224.41,407.48 h31.5
  text "ADC" at 2971.14,407.48 h31.5
  text "JLCJLCJLCJLC" at 1753.94,360.24 h31.5
  text "0x78" at 1039.37,344.49 h31.5 r90
  text "TXD" at 2224.41,328.74 h31.5
  text "RST" at 2971.14,328.74 h31.5
  text "Made by EternalStar" at 2844.49,196.85 h31.5
  text "2021" at 2608.27,125.98 h31.5

## Text inside footprints (layer, text, board x,y; h text height)
P1: Top Overlay "0" at 313.7,1444.88 h32 r90; Top Overlay "0" at 413.7,1444.88 h32 r90; Top Overlay "1" at 313.7,1101.1 h32 r90; Top Overlay "1" at 413.7,1101.1 h32 r90
USB1: Bottom Overlay "USB" at 1514.8,3082.76 h40 r180